# Allegro board STARRYSKY.brd (continued)
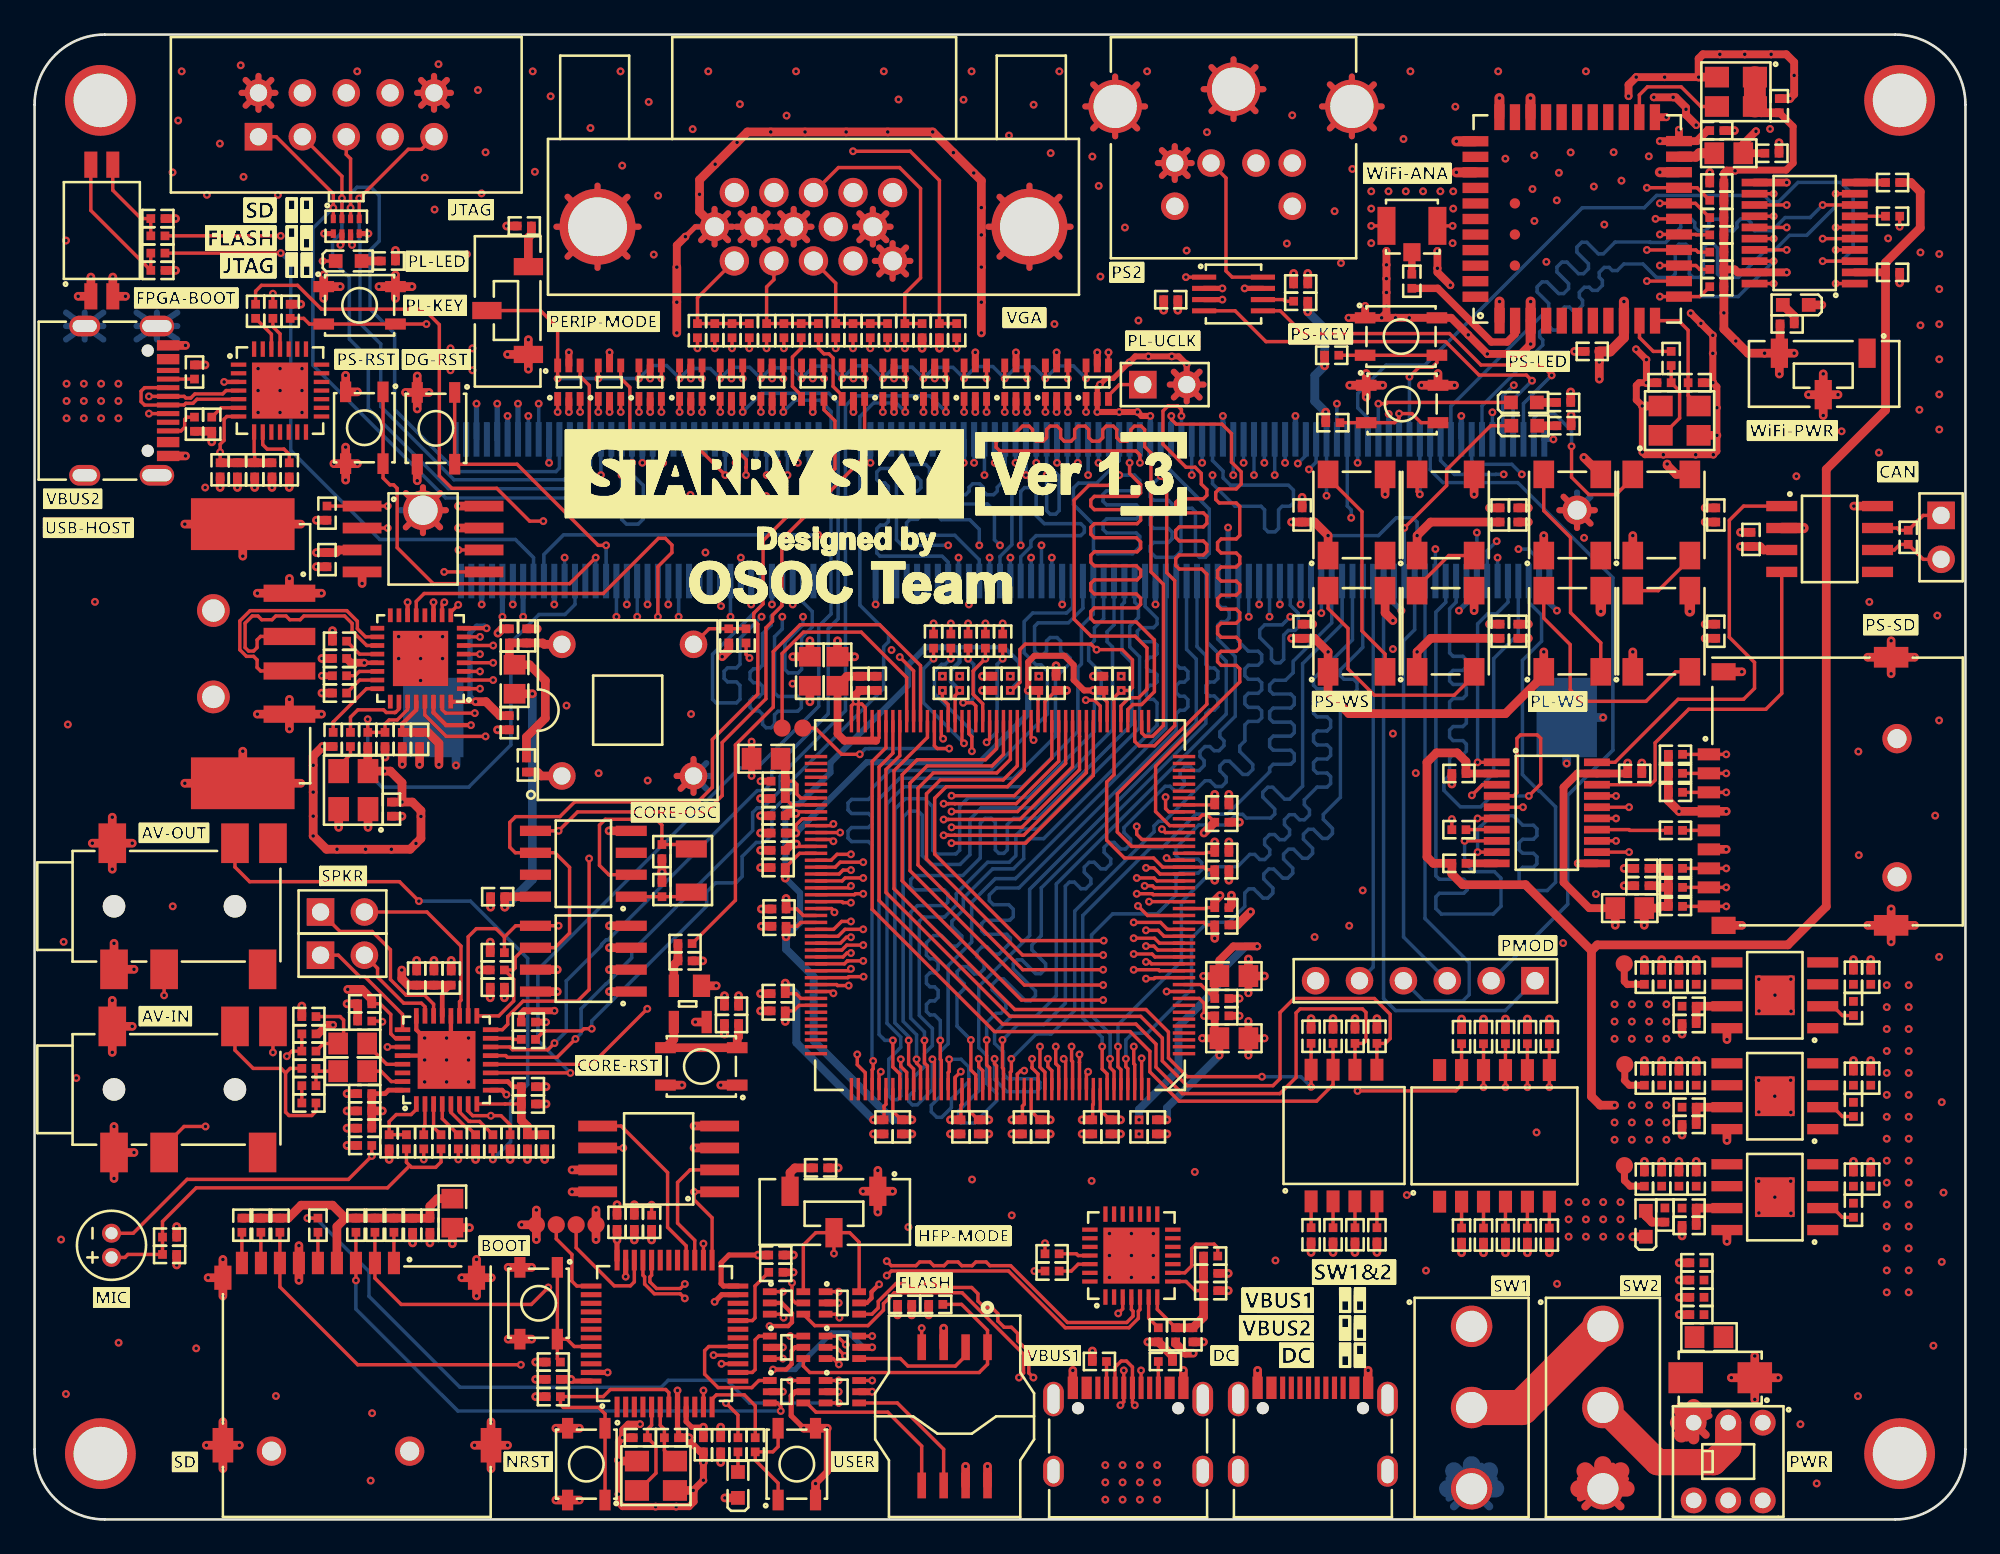
[diagram p0: board, top side]
## Routing (per net, layer and track width the routed paths; a pad name or vN(x,y) marks a point on that pad's centre or on a via; arc(x,y) is an arc through that point) (continued)
AUD_MCLK: length 55.4
  TOP w0.203: v1(31.02,25.85) U29.11 ; U31.3 v1(43.34,64.1)
  BOTTOM w0.203: v1(43.34,64.1) 44.02,64.79 45.46,64.79 46.1,64.14 46.1,52.41 45.39,51.7 45.39,47.07 41.82,43.5 40.81,43.5 29.13,31.82 29.13,27.73 v1(31.02,25.85)
CLK_SEL: length 42.8
  TOP w0.203: U3.77 51.68,45.27 49.74,43.33 49.74,36.51 56.74,29.52 64.33,29.52 65.63,28.22 65.63,26.71 66.71,25.63 v1(71.04,25.63) ; R16.1 SW4.8 v1(73.89,25.04)
  BOTTOM w0.203: v1(71.04,25.63) 73.3,25.63 v1(73.89,25.04)
CORE_DIP0: length 61
  TOP w0.203: v1(61.85,30.07) 57.12,30.07 50.22,36.97 50.22,43.11 51.09,43.97 55.04,43.97 55.68,44.62 U3.67 ; v1(87.68,25.02) SW5.7 R40.1
  ART03 w0.203: v1(87.68,25.02) 85,22.35 69.57,22.35 v1(61.85,30.07)
CORE_DIP1: length 58.2
  TOP w0.203: R38.1 SW5.8 v1(86.41,25.02) ; U3.66 56.08,44.28 55.41,43.62 51.66,43.62 50.67,42.63 50.67,37.55 57.29,30.93 v1(61.85,30.93)
  ART03 w0.203: v1(86.41,25.02) 84.34,22.96 69.82,22.96 v1(61.85,30.93)
CORE_DIP2: length 55.7
  TOP w0.203: U3.65 56.48,44 55.7,43.21 52.02,43.21 51.13,42.32 51.13,37.89 57.2,31.82 v1(61.85,31.82) ; R36.1 SW5.9 v1(85.14,25.02)
  ART03 w0.203: v1(61.85,31.82) 70.08,23.59 83.7,23.59 v1(85.14,25.02)
CORE_DIP3: length 53.3
  TOP w0.203: R34.1 SW5.10 v1(83.87,25.02) ; v1(61.85,32.67) 57.19,32.67 51.63,38.23 51.63,42.01 52.43,42.81 56.06,42.81 56.88,43.63 U3.64
  ART03 w0.203: v1(61.85,32.67) 62.17,32.35 62.17,32.21 63.88,30.5 63.89,30.5 70.21,24.19 83.03,24.19 v1(83.87,25.02)
CORE_DIP4: length 56.1
  TOP w0.203: v1(76.57,24.81) 82.25,24.81 82.6,25.15 SW5.11 R33.1 ; v1(61.88,33.5) 57.11,33.5 52.1,38.51 52.1,41.75 52.76,42.41 56.3,42.41 57.28,43.39 U3.63
  PWR04 w0.203: v1(61.88,33.5) 61.08,32.7 61.08,26.47 62.22,25.32 70.05,25.32 70.89,24.48 76.25,24.48 v1(76.57,24.81)
FLASH_CLK: length 8.1
  TOP w0.203: J5.6 52.62,4.06 49.94,6.74 U10.4
FLASH_CS: length 16.6
  TOP w0.203: U9.4 44.49,8.88 44.87,8.5 54.67,8.5 55.16,8.99 J5.1 55.16,10.95 53.66,12.45 R56.2
FLASH_MISO: length 7.1
  TOP w0.203: J5.2 53.89,9.47 53.3,8.88 50.55,8.88 50.11,9.31 U12.4
FLASH_MOSI: length 10.2
  TOP w0.203: U11.4 44.69,6.74 45.23,6.21 49.38,6.21 51.35,4.25 J5.5
FPGA_TCK: length 38.8
  TOP w0.203: RN1.1 v1(17.29,75.92) 17.29,76.74 13.99,80.04 J9.1
  BOTTOM w0.203: v1(17.29,75.92) 16.11,74.74 16.11,66.81 23.79,59.13 31.23,59.13 32.18,60.08 J20.27
FPGA_TDI: length 34.4
  TOP w0.203: RN1.4 v1(18.79,76.47) 21.63,79.31 22.39,79.31 J9.9
  BOTTOM w0.203: v1(18.79,76.47) 18.79,74.01 18.84,73.96 18.84,69.24 20.04,68.04 20.04,64.43 24.28,60.18 30.64,60.18 30.98,60.52 J20.23
FPGA_TDO: length 35.7
  TOP w0.203: J9.3 17.79,77.75 v1(17.79,76.47) RN1.2
  BOTTOM w0.203: J20.25 31.58,60.16 31.08,59.66 23.95,59.66 19.32,64.3 19.32,67.22 18.22,68.32 18.22,71.89 17.25,72.86 17.25,73.96 17.79,74.51 v1(17.79,76.47)
FPGA_TMS: length 33.7
  TOP w0.203: J9.5 18.04,79.01 18.29,78.76 v1(18.29,75.92) RN1.3
  BOTTOM w0.203: J20.21 30.38,60.86 30.18,60.65 24.43,60.65 20.84,64.24 20.84,68.64 19.42,70.07 19.42,73.47 19.95,74 19.95,76.63 19.47,77.11 18.66,77.11 18.29,76.74 v1(18.29,75.92)
HFP_BOOT0: length 7.7
  TOP w0.203: SW9.1 SW9.2 ; SW9.2 30.26,9.29 R54.1 ; SW9.2 30.81,10.44 31.24,10.01 U13.44
HFP_NRST: length 15.6
  TOP w0.203: U13.7 36.71,7.34 36.53,7.52 33.32,7.52 32.91,7.11 C71.1 30.44,7.1 30.44,6.65 30.6,6.49 32.64,6.49 33.02,6.11 SW8.1 SW8.2
HFP_PA2: length 5.2
  TOP w0.203: U13.12 39.21,6.96 39.47,7.21 41.08,7.21 41.71,6.58 R55.1
HFP_SPI1_CLK: length 9.9
  TOP w0.203: U13.15 v1(39.76,9.01) ; U10.1 v1(46.54,8.04)
  ART03 w0.203: v1(46.54,8.04) 45.31,6.81 41.96,6.81 v1(39.76,9.01)
HFP_SPI1_CS: length 3.7
  TOP w0.203: U9.1 41.93,10.61 41.71,10.39 41.71,8.67 41.54,8.51 U13.14
HFP_SPI1_MISO: length 11.5
  TOP w0.203: U13.16 v1(39.3,9.51) ; v1(46.95,10.12) 46.46,10.61 U12.1
  ART03 w0.203: v1(39.3,9.51) 41.65,9.51 43.21,11.07 43.55,11.07 43.55,11.07 43.93,11.07 43.93,11.07 43.98,11.07 44.93,10.12 v1(46.95,10.12)
HFP_SPI1_MOSI: length 7.7
  TOP w0.203: U13.17 39.03,10.01 38.78,9.77 38.78,8.41 39.56,7.63 41.51,7.63 41.93,8.04 U11.1
HFP_SPI2_CLK: length 11.6
  TOP w0.203: U13.26 v1(38.71,15.97) ; U14.6 v1(34.07,21.5)
  ART03 w0.203: v1(38.71,15.97) 39.04,16.29 39.04,18.97 38.49,19.52 36.06,19.52 v1(34.07,21.5)
HFP_SPI2_CS: length 9.2
  TOP w0.203: U13.25 39.21,17.47 38.17,18.51 v1(38.17,18.96) U14.1 ; R57.2 v1(35.71,18.22)
  ART03 w0.203: v1(35.71,18.22) 37.43,18.22 v1(38.17,18.96)
HFP_SPI2_MISO: length 7.6
  TOP w0.203: U14.2 37.94,20.23 37.22,19.51 37.22,17.15 38.21,16.16 U13.27
HFP_SPI2_MOSI: length 10.7
  TOP w0.203: U14.5 33.95,22.77 36.64,20.08 36.64,16.91 37.71,15.84 U13.28
HFP_SWCLK: length 4.9
  TOP w0.203: TP8.1 30.2,16.24 31.1,15.34 31.1,13.79 31.39,13.51 U13.37
HFP_SWDIO: length 7
  TOP w0.203: U13.34 34.71,13.75 34.49,13.52 33.55,13.52 31.35,15.73 TP7.1
HFP_USB_DN: length 14.3
  TOP w0.203: U13.32 35.71,14.14 35.62,14.04 35.62,13.75 36,13.37 37.37,13.37 v1(37.64,13.63) ; U7.1 v1(43.31,13.18)
  ART03 w0.203: v1(43.31,13.18) 44.57,13.18 44.77,12.98 44.77,12.69 44.57,12.49 42.83,12.49 41.95,13.37 40.91,13.37 40.67,13.61 40.1,13.61 39.86,13.37 39.28,13.37 39.04,13.61 38.47,13.61 38.23,13.37 37.9,13.37 v1(37.64,13.63)
HFP_USB_DP: length 14.9
  TOP w0.203: v1(37.64,12.8) 37.37,13.06 35.87,13.06 35.31,13.62 35.31,14.04 35.21,14.14 U13.33 ; U6.1 v1(46.54,13.18)
  ART03 w0.203: v1(37.64,12.8) 37.9,13.06 41.82,13.06 42.7,12.18 44.7,12.18 45.08,12.57 45.08,12.98 45.28,13.18 v1(46.54,13.18)
HP_JD: length 19.6
  TOP w0.203: R128.1 27.53,22.84 27,23.37 v1(26.41,23.37) 25.36,23.37 25.1,23.64 U29.7 ; J18.7 v1(13.8,27.04)
  ART03 w0.203: v1(13.8,27.04) 14.12,27.36 17.65,27.36 21.64,23.37 v1(26.41,23.37)
IO34_0: length 44.6
  TOP w0.203: v1(63.98,61.16) 63.98,61.62 63.75,61.85 55.87,61.85 55.65,62.07 55.65,62.35 55.86,62.56 56.45,62.56 57.18,63.29 57.56,63.29 57.76,63.08 57.76,62.62 57.97,62.42 58.37,62.42 58.58,62.62 58.58,63.08 58.78,63.29 59.19,63.29 59.39,63.08 59.39,62.62 59.59,62.42 60,62.42 60.2,62.62 60.2,63.08 60.41,63.29 60.81,63.29 61.02,63.08 61.02,62.62 61.22,62.42 61.62,62.42 61.83,62.62 61.83,63.08 62.03,63.29 62.44,63.29 62.64,63.08 62.64,62.62 62.84,62.42 63.25,62.42 63.45,62.62 63.45,63.08 63.66,63.29 64.05,63.29 64.25,63.08 64.25,62.1 64.62,61.74 64.62,54.85 65.34,54.13 65.34,45.96 64.71,45.33 64.29,45.33 64.08,45.54 U3.46
  BOTTOM w0.203: J20.125 v1(63.98,61.16)
IO34_1_N: length 44.3
  TOP w0.203: U3.104 46.11,38.16 46.45,38.5 v1(47.25,38.5)
  ART03 w0.203: v1(52.88,56.39) 50.34,56.39 47.42,53.47 47.42,50.54 47.01,50.13 47.01,40.07 47.25,39.82 v1(47.25,38.5)
  BOTTOM w0.203: J20.88 52.88,55.41 52.53,55.76 48.93,55.76 48.75,55.94 48.75,57.36 48.95,57.56 49.21,57.56 49.42,57.76 49.42,58.17 49.21,58.37 48.95,58.37 48.75,58.57 48.75,58.98 48.95,59.18 49.21,59.18 49.42,59.39 49.42,59.79 49.21,60 48.95,60 48.75,60.2 48.75,60.64 48.95,60.84 49.66,60.84 49.88,60.62 49.88,56.71 50.21,56.39 v1(52.88,56.39)
IO34_1_P: length 44.6
  TOP w0.203: U3.105 46.35,37.76 46.63,38.05 v1(47.96,38.05)
  ART03 w0.203: v1(53.48,55.68) 54.14,56.33 54.14,56.76 54.41,57.03 58.73,57.03 59.02,57.32 59.02,58.21 58.75,58.48 58.35,58.48 58.15,58.28 58.15,57.89 57.94,57.68 57.54,57.68 57.33,57.89 57.33,58.28 57.13,58.48 56.73,58.48 56.52,58.28 56.52,57.89 56.32,57.68 55.91,57.68 55.71,57.89 55.71,58.28 55.51,58.48 55.1,58.48 54.9,58.28 54.9,57.89 54.69,57.68 54.29,57.68 54.08,57.89 54.08,58.28 53.88,58.48 53.55,58.48 53.38,58.31 53.38,56.23 52.59,55.45 50.22,55.45 48.22,53.45 48.22,38.76 47.96,38.5 v1(47.96,38.05)
  BOTTOM w0.203: J20.90 v1(53.48,55.68)
IO34_2_N: length 7.8
  TOP w0.203: U30.4 v1(40.99,66.04)
  PWR04 w0.203: v1(42.98,61.16) 42.98,62.22 41.57,63.62 41.57,65.46 v1(40.99,66.04)
  BOTTOM w0.203: J20.63 v1(42.98,61.16)
IO34_2_P: length 10.6
  TOP w0.203: U37.4 v1(38.63,66.04)
  PWR04 w0.203: v1(42.38,60.45) 42.38,61.69 40.8,63.27 39.75,63.27 39.16,63.86 39.16,65.52 v1(38.63,66.04)
  BOTTOM w0.203: J20.61 v1(42.38,60.45)
IO34_3_N: length 15.1
  TOP w0.203: v1(39.98,60.45) 38.17,62.26 32.63,62.26 32.11,62.78 32.11,65.64 31.58,66.17 U34.4
  BOTTOM w0.203: J20.53 v1(39.98,60.45)
IO34_3_P: length 44.8
  TOP w0.203: U3.122 46.42,30.96 46.48,30.9 v1(47.12,30.9)
  ART03 w0.203: v1(40.28,52.25) 40.28,51.8 40.26,51.77 40.26,40.84 40.05,40.64 39.01,40.64 38.8,40.44 38.8,40.03 39.01,39.83 40.05,39.83 40.26,39.62 40.26,39.22 40.05,39.01 39.01,39.01 38.8,38.81 38.8,38.4 39.01,38.2 40.05,38.2 40.26,38 40.26,37.59 40.05,37.39 39.01,37.39 38.8,37.18 38.8,36.78 39.01,36.58 40.05,36.58 40.26,36.37 40.26,35.97 40.05,35.76 39.01,35.76 38.8,35.56 38.8,35.15 39.01,34.95 40.05,34.95 40.26,34.75 40.26,34.34 40.05,34.14 39.01,34.14 38.8,33.93 38.8,33.53 39.01,33.32 40.05,33.32 43.8,29.58 46.9,29.58 47.12,29.81 v1(47.12,30.9)
  BOTTOM w0.203: J20.54 v1(40.28,52.25)
IO34_4_N: length 44.5
  TOP w0.203: v1(47.96,37.13) 46.91,37.13 46.74,36.96 U3.107
  ART03 w0.203: v1(47.96,37.13) 49.86,37.13 50.54,37.8 50.54,38.13 50.33,38.34 49.64,38.34 49.43,38.54 49.43,38.95 49.64,39.15 50.33,39.15 50.54,39.35 50.54,39.76 50.33,39.96 49.64,39.96 49.43,40.17 49.43,40.57 49.64,40.78 50.33,40.78 50.54,40.98 50.54,41.39 50.33,41.59 49.64,41.59 49.43,41.79 49.43,42.2 49.64,42.4 50.33,42.4 50.54,42.6 50.54,43.01 50.33,43.21 49.64,43.21 49.43,43.42 49.43,43.82 49.64,44.03 50.33,44.03 50.54,44.23 50.54,44.64 50.33,44.84 49.64,44.84 49.43,45.04 49.43,45.45 49.64,45.65 50.33,45.65 50.54,45.86 50.54,46.26 50.33,46.47 49.64,46.47 49.43,46.67 49.43,47.08 49.64,47.28 50.33,47.28 50.54,47.48 50.54,47.89 50.33,48.09 49.64,48.09 49.43,48.29 49.43,48.7 49.64,48.9 50.5,48.9 51.58,49.98 51.58,51.07 50.98,51.67 50.98,51.95 51.39,52.36 53.32,52.36 53.52,52.56 53.52,53.05 53.32,53.25 51.65,53.25 51.44,53.45 51.44,53.82 51.65,54.02 53.63,54.02 v1(55.28,55.68)
  BOTTOM w0.203: J20.96 v1(55.28,55.68)
IO34_4_P: length 46.3
  TOP w0.203: v1(47.25,37.59) 46.8,37.59 46.57,37.36 U3.106
  ART03 w0.203: v1(47.25,37.59) 48.81,37.59 48.98,37.76 48.98,52.1 51.48,54.6 53.5,54.6 54.68,55.78 v1(54.68,56.39)
  BOTTOM w0.203: J20.94 54.68,55.55 53.26,56.97 50.78,56.97 50.47,57.28 50.47,57.69 50.67,57.89 51.1,57.89 51.3,58.09 51.3,58.5 51.1,58.7 50.67,58.7 50.47,58.91 50.47,59.31 50.67,59.52 51.1,59.52 51.3,59.72 51.3,60.13 51.1,60.33 50.67,60.33 50.47,60.53 50.47,60.86 50.67,61.07 51.59,61.07 51.8,60.86 51.8,58.56 52.49,57.87 54.13,57.87 54.68,57.32 v1(54.68,56.39)
IO34_5_N: length 45.7
  TOP w0.203: v1(47.98,31.42) 47.13,31.42 47.07,31.36 U3.121
  ART03 w0.203: v1(47.98,31.42) 48.19,31.42 48.71,31.93 48.71,32.42 49.23,32.95 51.05,32.95 51.56,32.44 51.56,30.65 51.35,30.45 47.9,30.45 47.58,30.77 47.58,31.09 47.31,31.36 44.29,31.36 43.76,31.88 42.3,31.88 40.92,33.26 40.92,39.34 41.13,39.54 41.36,39.54 41.56,39.74 41.56,40.15 41.36,40.35 41.13,40.35 40.92,40.56 40.92,40.96 41.13,41.17 41.36,41.17 41.56,41.37 41.56,41.77 41.36,41.98 41.13,41.98 40.92,42.18 40.92,45.09 41.41,45.58 41.41,45.89 41.2,46.09 41.13,46.09 40.92,46.3 40.92,46.7 41.13,46.91 41.2,46.91 41.41,47.11 41.41,47.52 41.2,47.72 41.13,47.72 40.92,47.92 40.92,48.33 41.13,48.53 41.2,48.53 41.41,48.74 41.41,49.14 41.2,49.35 41.13,49.35 40.92,49.55 40.92,51.95 41.48,52.51 v1(41.48,52.96)
  BOTTOM w0.203: J20.58 v1(41.48,52.96)
IO34_5_P: length 44.3
  TOP w0.203: v1(47.25,31.87) 47.14,31.76 U3.120
  ART03 w0.203: v1(47.25,31.87) 44.77,31.87 44.06,32.59 42.73,32.59 41.56,33.75 41.56,37.92 41.83,38.19 42.28,38.19 42.48,38.39 42.48,42.92 42.08,43.32 v1(42.08,52.25)
  BOTTOM w0.203: J20.60 42.08,52.91 39.24,50.08 39.24,47.47 39.45,47.27 40.63,47.27 40.83,47.47 40.83,48.28 40.63,48.48 40.11,48.48 39.91,48.68 39.91,49.09 40.11,49.29 40.63,49.29 40.83,49.5 40.83,51 v1(42.08,52.25)
IO34_6_N: length 7.6
  TOP w0.203: U32.4 v1(45.69,66.04)
  PWR04 w0.203: v1(45.69,66.04) 45.69,63.97 44.18,62.46 v1(44.18,61.16)
  BOTTOM w0.203: J20.67 v1(44.18,61.16)
IO34_6_P: length 8.7
  TOP w0.203: U31.4 v1(43.34,66.04)
  PWR04 w0.203: v1(43.58,60.45) 43.58,63.24 43.86,63.52 43.86,65.53 v1(43.34,66.04)
  BOTTOM w0.203: J20.65 v1(43.58,60.45)
IO34_7_N: length 11.5
  TOP w0.203: U39.4 v1(59.81,66.04)
  PWR04 w0.203: v1(56.18,60.45) 56.18,61.4 57.98,63.2 59.81,63.2 60.37,63.76 60.37,64.96 59.81,65.52 v1(59.81,66.04)
  BOTTOM w0.203: J20.99 v1(56.18,60.45)
IO34_7_P: length 8.5
  TOP w0.203: U28.4 v1(57.45,66.04)
  PWR04 w0.203: v1(57.45,66.04) 57.97,65.53 57.97,63.98 57.64,63.65 57.05,63.65 55.58,62.17 v1(55.58,61.16)
  BOTTOM w0.203: J20.97 v1(55.58,61.16)
IO34_8_N: length 7.7
  TOP w0.203: U26.4 v1(52.75,66.04)
  PWR04 w0.203: v1(54.38,61.16) 54.38,61.7 53.21,62.87 53.21,65.58 v1(52.75,66.04)
  BOTTOM w0.203: J20.93 v1(54.38,61.16)
IO34_8_P: length 8.9
  TOP w0.203: U27.4 v1(55.1,66.04)
  PWR04 w0.203: v1(55.1,66.04) 55.65,65.5 55.65,63.46 54.98,62.79 v1(54.98,60.45)
  BOTTOM w0.203: J20.95 v1(54.98,60.45)
IO34_9_N: length 46
  TOP w0.203: v1(53.07,40.06) 57.14,40.06 60.48,43.4 60.48,45.33 60.48,45.33 U3.55
  PWR04 w0.203: v1(60.38,61.16) 60.38,58.83 61.21,58 61.21,57.37 61.42,57.17 61.63,57.17 61.84,56.96 61.84,56.56 61.63,56.35 61.42,56.35 61.21,56.15 61.21,55.74 61.42,55.54 61.63,55.54 61.84,55.34 61.84,54.93 61.63,54.73 61.42,54.73 61.21,54.52 61.21,54.12 61.42,53.92 61.63,53.92 61.84,53.71 61.84,53.31 61.63,53.1 61.42,53.1 61.21,52.9 61.21,52.49 61.42,52.29 61.63,52.29 61.84,52.09 61.84,51.68 61.01,50.85 61.01,50.16 61.28,49.89 61.68,49.89 61.88,49.69 61.88,41.43 60.51,40.06 v1(53.07,40.06)
  BOTTOM w0.203: J20.113 v1(60.38,61.16)
IO34_9_P: length 44.7
  TOP w0.203: U3.56 60.08,43.56 57.04,40.52 52.89,40.52 52.88,40.52 v1(52.62,40.52)
  PWR04 w0.203: v1(52.62,40.52) 52.88,40.52 52.89,40.52 53.26,40.52 53.27,40.52 59.99,40.52 60.68,41.2 60.68,42.5 60.88,42.7 61.23,42.7 61.43,42.91 61.43,43.31 61.23,43.52 60.88,43.52 60.68,43.72 60.68,44.13 60.88,44.33 61.23,44.33 61.43,44.53 61.43,44.94 61.23,45.14 60.88,45.14 60.68,45.35 60.68,45.75 60.88,45.95 61.23,45.95 61.43,46.16 61.43,46.56 61.23,46.77 60.86,46.77 60.39,47.24 60.39,47.62 60.58,47.8 60.58,57.68 59.78,58.47 v1(59.78,60.45)
  BOTTOM w0.203: J20.111 v1(59.78,60.45)
IO34_10_N: length 45.2
  TOP w0.203: U3.142 50.88,26.07 50.59,26.36 v1(50.59,27.73)
  BOTTOM w0.203: J20.118 61.88,52.15 61.34,51.61 61.34,50.87 61.01,50.54 61.01,49.72 61.74,49 61.74,47.8 61.34,47.4 61.34,45.62 57.5,41.78 54.05,41.78 53.54,41.28 53.54,38.74 53.33,38.52 52.2,38.52 51.99,38.74 51.99,41.25 51.52,41.72 50.4,41.72 49.79,41.12 49.79,28.74 50.59,27.94 v1(50.59,27.73)
IO34_10_P: length 44.3
  TOP w0.203: v1(50.14,26.64) 50.14,26.22 50.48,25.88 U3.141
  BOTTOM w0.203: v1(50.14,26.64) 50.14,26.18 50.14,26.18 50.14,24.5 49.93,24.3 49.65,24.3 49.44,24.5 49.44,26.64 50.14,27.33 50.14,27.92 49.34,28.72 49.34,41.43 50.32,42.41 57.19,42.41 60.39,45.61 60.39,49.31 60.59,49.52 60.59,51.71 61.28,52.4 J20.116
IO34_11_N: length 44.4
  TOP w0.203: U3.57 59.68,43.76 56.89,40.98 v1(53.07,40.98)
  PWR04 w0.203: v1(53.07,40.98) 59.11,40.98 59.68,41.55 59.68,47.4 59.28,47.8 59.28,48.19 60.02,48.93 60.02,57.32 58.58,58.76 v1(58.58,60.45)
  BOTTOM w0.203: J20.107 58.58,61.11 59.31,60.39 59.31,58.4 59.1,58.2 58.78,58.2 58.58,58.4 v1(58.58,60.45)
IO34_11_P: length 44.4
  TOP w0.203: v1(52.62,41.43) 52.88,41.43 52.89,41.43 53.26,41.43 53.27,41.43 56.81,41.43 59.28,43.9 U3.58
  PWR04 w0.203: v1(57.98,61.16) 57.98,56.73 57.82,56.58 57.82,56.19 58.42,55.59 58.42,55.33 58.94,54.81 58.94,54.49 58.74,54.28 57.78,54.28 57.58,54.08 57.58,53.67 57.78,53.47 58.74,53.47 58.94,53.27 58.94,52.86 58.74,52.66 57.78,52.66 57.58,52.45 57.58,52.05 57.78,51.84 58.74,51.84 58.94,51.64 58.94,51.23 58.74,51.03 57.78,51.03 57.58,50.83 57.58,50.42 57.78,50.22 58.67,50.22 58.87,50.01 58.87,49.81 58.67,49.61 58.67,49.23 58.87,49.03 58.87,42.03 58.27,41.43 53.27,41.43 53.26,41.43 52.89,41.43 52.88,41.43 v1(52.62,41.43)
  BOTTOM w0.203: J20.105 v1(57.98,61.16)
IO34_12_N: length 44.4
  TOP w0.203: v1(62.78,60.45) 62.18,59.86 61.03,59.86 60.17,59 60.17,52.11 61.15,51.13 63.7,51.13 64.39,50.45 64.39,48.05 63.9,47.56 63.36,47.56 62.88,47.09 U3.49
  BOTTOM w0.203: v1(62.78,60.45) 63.66,60.45 63.97,60.15 63.97,59.75 63.77,59.54 62.05,59.54 61.85,59.34 61.85,58.93 62.05,58.73 63.77,58.73 63.97,58.53 63.97,58.12 63.77,57.92 62.05,57.92 61.85,57.71 61.85,57.31 62.05,57.11 63.77,57.11 63.97,56.9 63.97,56.31 63.56,55.9 61.51,55.9 61.29,56.12 61.29,57.59 60.13,58.75 60.13,59.7 60.42,59.99 61.48,59.99 62.78,61.29 J20.121
IO34_13_N: length 46.6
  TOP w0.203: v1(47.96,34.16) 46.91,34.16 46.51,33.76 U3.115
  ART03 w0.203: v1(58.28,56.39) 58.28,50.74 58.64,50.39 58.64,44.66 58.43,44.45 57.66,44.45 57.46,44.25 57.46,43.84 57.66,43.64 58.65,43.64 58.85,43.44 58.85,43.03 58.65,42.83 57.66,42.83 57.46,42.63 57.46,42.22 57.66,42.02 58.65,42.02 58.85,41.81 58.85,40.38 53.02,34.55 53.02,30.3 52.81,30.1 52.43,30.1 52.23,30.3 52.23,33.15 51.61,33.76 48.17,33.76 47.96,33.96 v1(47.96,34.16)
  BOTTOM w0.203: J20.106 v1(58.28,56.39)
IO34_13_P: length 45.6
  TOP w0.203: U3.135 48.08,25.86 47.62,26.32 v1(47.62,26.92)
  ART03 w0.203: v1(58.88,55.68) 59.98,54.57 59.98,53.89 60.18,53.69 61.05,53.69 61.19,53.54 61.19,53.11 60.96,52.88 60.18,52.88 59.98,52.67 59.98,52.27 60.18,52.06 60.96,52.06 61.16,51.86 61.16,51.45 60.96,51.25 60.18,51.25 59.98,51.05 59.98,50.64 60.18,50.44 60.77,50.44 60.98,50.23 60.98,49.87 60.73,49.62 60.18,49.62 59.98,49.42 59.98,49.15 59.25,48.42 59.25,39.77 53.78,34.29 53.78,29.43 53.21,28.87 49.11,28.87 47.62,27.37 v1(47.62,26.92)
  BOTTOM w0.203: J20.108 v1(58.88,55.68)
IO34_14_N: length 46
  TOP w0.203: U3.24 64.75,36.16 64.7,36.22 v1(63.8,36.22)
  PWR04 w0.203: v1(63.8,36.22) 65.22,36.22 66.65,37.65 66.65,57.72 68.67,59.74 68.67,60.73 68.3,61.09 68.3,64.13 68.76,64.59 71.58,64.59 71.79,64.39 71.79,63.97 71.57,63.76 69.44,63.76 69,63.32 69,60.83 v1(69.38,60.45)
  BOTTOM w0.203: J20.143 v1(69.38,60.45)
IO34_14_P: length 44.3
  TOP w0.203: v1(64.51,35.76) 65.65,35.76 U3.23
  PWR04 w0.203: v1(64.51,35.76) 65.41,35.76 67.23,37.57 67.23,39.92 67.85,40.55 67.85,42.51 67.72,42.64 67.39,42.64 67.19,42.85 67.19,43.25 67.39,43.46 67.99,43.46 68.2,43.66 68.2,44.07 67.99,44.27 67.39,44.27 67.19,44.47 67.19,44.88 67.39,45.08 67.99,45.08 68.2,45.29 68.2,45.69 67.99,45.9 67.39,45.9 67.19,46.1 67.19,46.5 67.39,46.71 67.99,46.71 68.2,46.91 68.2,47.32 67.99,47.52 67.39,47.52 67.19,47.72 67.19,48.13 67.39,48.33 67.99,48.33 68.2,48.54 68.2,48.87 67.41,49.65 67.41,57.58 69.95,60.12 69.95,60.55 69.52,60.98 69.52,62.4 70.03,62.91 71.3,62.91 71.51,62.71 71.51,61.9 71.28,61.67 70.49,61.67 v1(69.98,61.16)
  BOTTOM w0.203: J20.145 v1(69.98,61.16)
IO34_15_N: length 44.1
  TOP w0.203: U3.26 64.97,36.96 64.8,37.13 v1(63.8,37.13)
  PWR04 w0.203: v1(63.8,37.13) 64.4,37.13 64.79,37.52 64.79,41.95 65.37,42.53 65.37,58.02 67.44,60.09 67.44,60.64 66.33,61.75 62.49,61.75 62.09,62.16 62.09,62.91 62.59,63.42 67.38,63.42 67.58,63.22 v1(67.58,61.16)
  BOTTOM w0.203: J20.137 v1(67.58,61.16)
IO34_15_P: length 44.1
  TOP w0.203: U3.25 64.82,36.56 64.71,36.67 v1(64.25,36.67)
  PWR04 w0.203: v1(68.18,60.45) 68.18,60 66.03,57.85 66.03,37.6 65.11,36.67 v1(64.25,36.67)
  BOTTOM w0.203: J20.139 68.18,61.29 68.79,60.68 68.79,60.3 69.22,59.87 72.57,59.87 72.87,59.58 72.87,58.85 72.66,58.65 72.21,58.65 72,58.44 72,57.37 71.8,57.17 71.4,57.17 71.19,57.37 71.19,58.44 70.99,58.65 69.48,58.65 68.18,59.95 v1(68.18,60.45)
IO34_16_N: length 44.4
  TOP w0.203: U3.31 63.5,38.96 62.67,39.79 62.67,42.01 67.85,47.19 67.85,54.71 67.55,55.01 66.26,55.01 66.05,55.22 66.05,55.62 66.26,55.83 67.65,55.83 67.85,56.03 67.85,56.44 67.65,56.64 66.26,56.64 66.05,56.84 66.05,57.25 66.26,57.45 67.65,57.45 67.85,57.66 67.85,58.06 67.65,58.27 66.26,58.27 66.05,58.47 66.05,58.88 66.26,59.08 67.65,59.08 67.85,59.28 67.85,59.61 67.53,59.94 67.53,60.55 67.17,60.91 66.64,60.91 65.31,62.24 65.31,64.16 65.6,64.45 66.18,64.45 66.38,64.25 v1(66.38,63.88)
  BOTTOM w0.203: J20.133 v1(66.38,63.88)
IO34_16_P: length 45.4
  TOP w0.203: v1(64.33,37.72) 64.79,37.72 65.15,37.36 U3.27
  PWR04 w0.203: v1(66.98,60.45) 66.61,60.08 66.32,60.08 66.12,60.29 65.83,60.29 65.54,60.01 65.54,59.72 65.75,59.51 65.75,59.22 65.46,58.94 65.17,58.94 64.97,59.14 64.68,59.14 64.39,58.86 64.39,58.57 64.6,58.36 64.6,57.74 64.16,57.3 63.87,57.3 63.67,57.1 63.67,56.69 63.87,56.49 64.16,56.49 64.36,56.28 64.36,55.88 64.16,55.67 63.87,55.67 63.67,55.47 63.67,55.06 63.87,54.86 64.16,54.86 64.36,54.66 64.36,54.25 64.16,54.05 63.87,54.05 63.67,53.85 63.67,53.44 63.87,53.24 64.16,53.24 64.36,53.03 64.36,52.63 64.16,52.42 63.87,52.42 63.67,52.22 63.67,51.81 63.87,51.61 64.16,51.61 64.36,51.41 64.36,51 64.16,50.8 63.87,50.8 63.67,50.59 63.67,50.19 63.87,49.98 64.05,49.98 64.25,49.78 64.25,38.65 63.67,38.07 62.58,38.07 62.06,37.55 62.06,34.11 62.27,33.91 62.82,33.91 63.02,34.12 63.02,37.1 63.64,37.72 v1(64.33,37.72)
  BOTTOM w0.203: J20.135 v1(66.98,60.45)
IO34_17_N: length 44.3
  TOP w0.203: v1(65.8,63.88) 65.82,63.85 65.82,63.66 66.07,63.4 68.73,63.4 69.28,62.85 69.28,61.2 69.84,60.64 69.84,59.93 69.56,59.65 68.57,59.65 68.37,59.45 68.37,59.04 68.57,58.84 69.56,58.84 69.76,58.64 69.76,56.96 69.56,56.76 68.68,56.76 68.47,56.55 68.47,56.15 68.68,55.94 69.56,55.94 69.76,55.74 69.76,55.33 69.56,55.13 68.68,55.13 68.47,54.93 68.47,54.52 68.68,54.32 69.56,54.32 69.76,54.11 69.76,53.71 69.56,53.5 68.68,53.5 68.47,53.3 68.47,52.89 68.68,52.69 69.56,52.69 69.76,52.49 69.76,52.08 69.56,51.88 68.68,51.88 68.47,51.68 68.47,51.27 68.68,51.07 69.56,51.07 69.76,50.86 69.76,50.46 69.56,50.25 68.68,50.25 68.47,50.05 68.47,49.64 68.68,49.44 69.56,49.44 69.76,49.24 69.76,48.48 64.89,43.61 64.89,40.98 65.7,40.16 U3.34
  BOTTOM w0.203: J20.131 65.78,63.53 65.8,63.54 v1(65.8,63.88)
IO34_17_P: length 44.1
  TOP w0.203: v1(65.18,60.4) 65.53,60.05 65.53,54.81 65.99,54.34 65.99,45.95 64.82,44.78 63.94,44.78 63.68,45.04 U3.47
  BOTTOM w0.203: v1(65.18,60.4) 64.57,59.79 64.57,59.2 64.77,58.99 65.63,58.99 65.83,58.79 65.83,58.38 65.63,58.18 64.77,58.18 64.57,57.98 64.57,57.57 64.77,57.37 65.63,57.37 65.83,57.16 65.83,56.76 65.63,56.55 64.77,56.55 64.57,56.35 64.57,56.02 64.9,55.69 66,55.69 66.36,56.04 66.36,58.33 66.56,58.53 66.99,58.53 67.19,58.33 67.19,55.92 67.42,55.69 67.77,55.69 67.99,55.92 67.99,58.48 65.18,61.29 J20.129
IO34_18_N: length 45.3
  TOP w0.203: v1(54.19,27.76) 54.19,26.02 54.48,25.73 U3.151
  BOTTOM w0.203: v1(54.19,27.76) 53.39,28.55 53.39,30.3 53.81,30.72 53.81,31.01 53.4,31.43 53.4,31.71 53.68,32 53.97,32 54.39,31.58 54.68,31.58 54.96,31.87 54.96,32.16 54.54,32.58 54.54,32.86 54.83,33.15 55.12,33.15 55.54,32.73 55.83,32.73 56.48,33.38 56.48,33.67 56.27,33.87 55.02,33.87 54.82,34.08 54.82,34.48 55.02,34.69 56.44,34.69 56.65,34.89 56.65,35.32 56.38,35.59 55.49,35.59 55.26,35.82 55.26,36.15 55.67,36.55 56.97,36.55 66.08,45.66 66.08,46.64 66.28,46.84 66.55,46.84 66.76,47.04 66.76,47.45 66.55,47.65 66.28,47.65 66.08,47.86 66.08,48.26 66.28,48.47 66.55,48.47 66.76,48.67 66.76,49.08 66.55,49.28 66.28,49.28 66.08,49.48 J20.132
IO34_18_P: length 44.4
  TOP w0.203: v1(52.94,26.64) 52.94,25.93 52.88,25.87 U3.147
  BOTTOM w0.203: J20.130 65.48,45.8 56.77,37.09 55.61,37.09 54.24,35.73 54.24,33.42 52.88,32.06 52.88,27.54 52.43,27.09 52.43,24.5 51.9,23.97 51.9,23.6 52.22,23.28 52.51,23.28 53.07,23.83 53.07,24.34 54.08,25.35 54.08,25.65 54.07,25.66 54.07,26.2 53.63,26.64 v1(52.94,26.64)
IO34_19_N: length 44.1
  TOP w0.203: U3.114 46.26,34.16 46.71,34.62 v1(47.25,34.62)
  ART03 w0.203: v1(57.68,55.68) 57.68,50.39 58.15,49.92 58.15,49.48 57.62,48.95 57.62,48.66 58.04,48.25 58.04,47.39 56.91,46.26 56.91,45.7 56.71,45.49 56.31,45.49 56.11,45.29 56.11,44.88 56.31,44.68 56.71,44.68 56.91,44.48 56.91,44.07 56.71,43.87 56.31,43.87 56.11,43.67 56.11,43.26 56.31,43.06 56.71,43.06 56.91,42.85 56.91,42.45 56.71,42.24 56.31,42.24 56.11,42.04 56.11,41.63 56.31,41.43 56.71,41.43 56.91,41.23 56.91,40.82 56.71,40.62 56.31,40.62 56.11,40.41 56.11,40.01 56.31,39.8 56.71,39.8 56.91,39.6 56.91,39.27 56.4,38.76 56.11,38.76 55.76,39.12 55.47,39.12 55.18,38.83 55.18,38.55 55.54,38.19 55.54,37.9 55.25,37.61 54.97,37.61 54.61,37.97 54.32,37.97 54.03,37.68 54.03,37.4 54.39,37.04 54.39,36.75 54.1,36.46 53.82,36.46 53.46,36.82 53.17,36.82 52.88,36.53 52.88,36.25 53.24,35.89 53.24,35.6 52.95,35.31 52.67,35.31 52.31,35.67 52.02,35.67 51.73,35.38 51.73,35.1 52.09,34.74 52.09,34.45 51.86,34.22 50.84,34.22 50.63,34.42 50.63,34.69 50.43,34.89 50.02,34.89 49.82,34.69 49.82,34.42 49.62,34.22 49.21,34.22 49.01,34.42 49.01,34.69 48.8,34.89 48.4,34.89 48.12,34.62 v1(47.25,34.62)
  BOTTOM w0.203: J20.104 v1(57.68,55.68)
IO34_19_P: length 44.3
  TOP w0.203: v1(47.25,35.7) 46.79,35.7 46.74,35.76 U3.110
  ART03 w0.203: v1(47.25,35.7) 51.25,35.7 55.56,40.02 55.56,45.63 57.02,47.09 57.02,49.52 56.64,49.9 56.64,53.92 57.08,54.36 v1(57.08,56.39)
  BOTTOM w0.203: J20.102 57.08,55.72 57.67,56.31 57.67,56.65 57.97,56.95 60.56,56.95 60.76,57.15 60.76,57.44 60.56,57.64 58.44,57.64 57.97,58.11 57.97,59.52 57.76,59.73 57.3,59.73 57.08,59.5 v1(57.08,56.39)
IO34_20_N: length 44.9
  TOP w0.203: v1(47.96,33.25) 47.01,33.25 46.73,32.96 U3.117
  ART03 w0.203: v1(47.96,33.25) 45.97,33.25 45.11,34.11 45.11,40.56 44.42,41.25 44.42,51.22 43.93,51.71 43.93,52.37 44.37,52.81 45.96,52.81 46.2,53.04 46.2,53.33 45.39,54.14 45.39,54.42 45.68,54.71 45.97,54.71 46.77,53.91 47.06,53.91 47.35,54.19 47.35,54.48 46.54,55.29 46.54,55.57 46.83,55.86 47.12,55.86 47.92,55.06 48.21,55.06 48.71,55.56 48.71,56.08 48.29,56.51 46.65,56.51 43.88,53.74 v1(43.88,52.96)